# Altium PCB PCB2.PcbDoc (part 1 of 9) (continued)
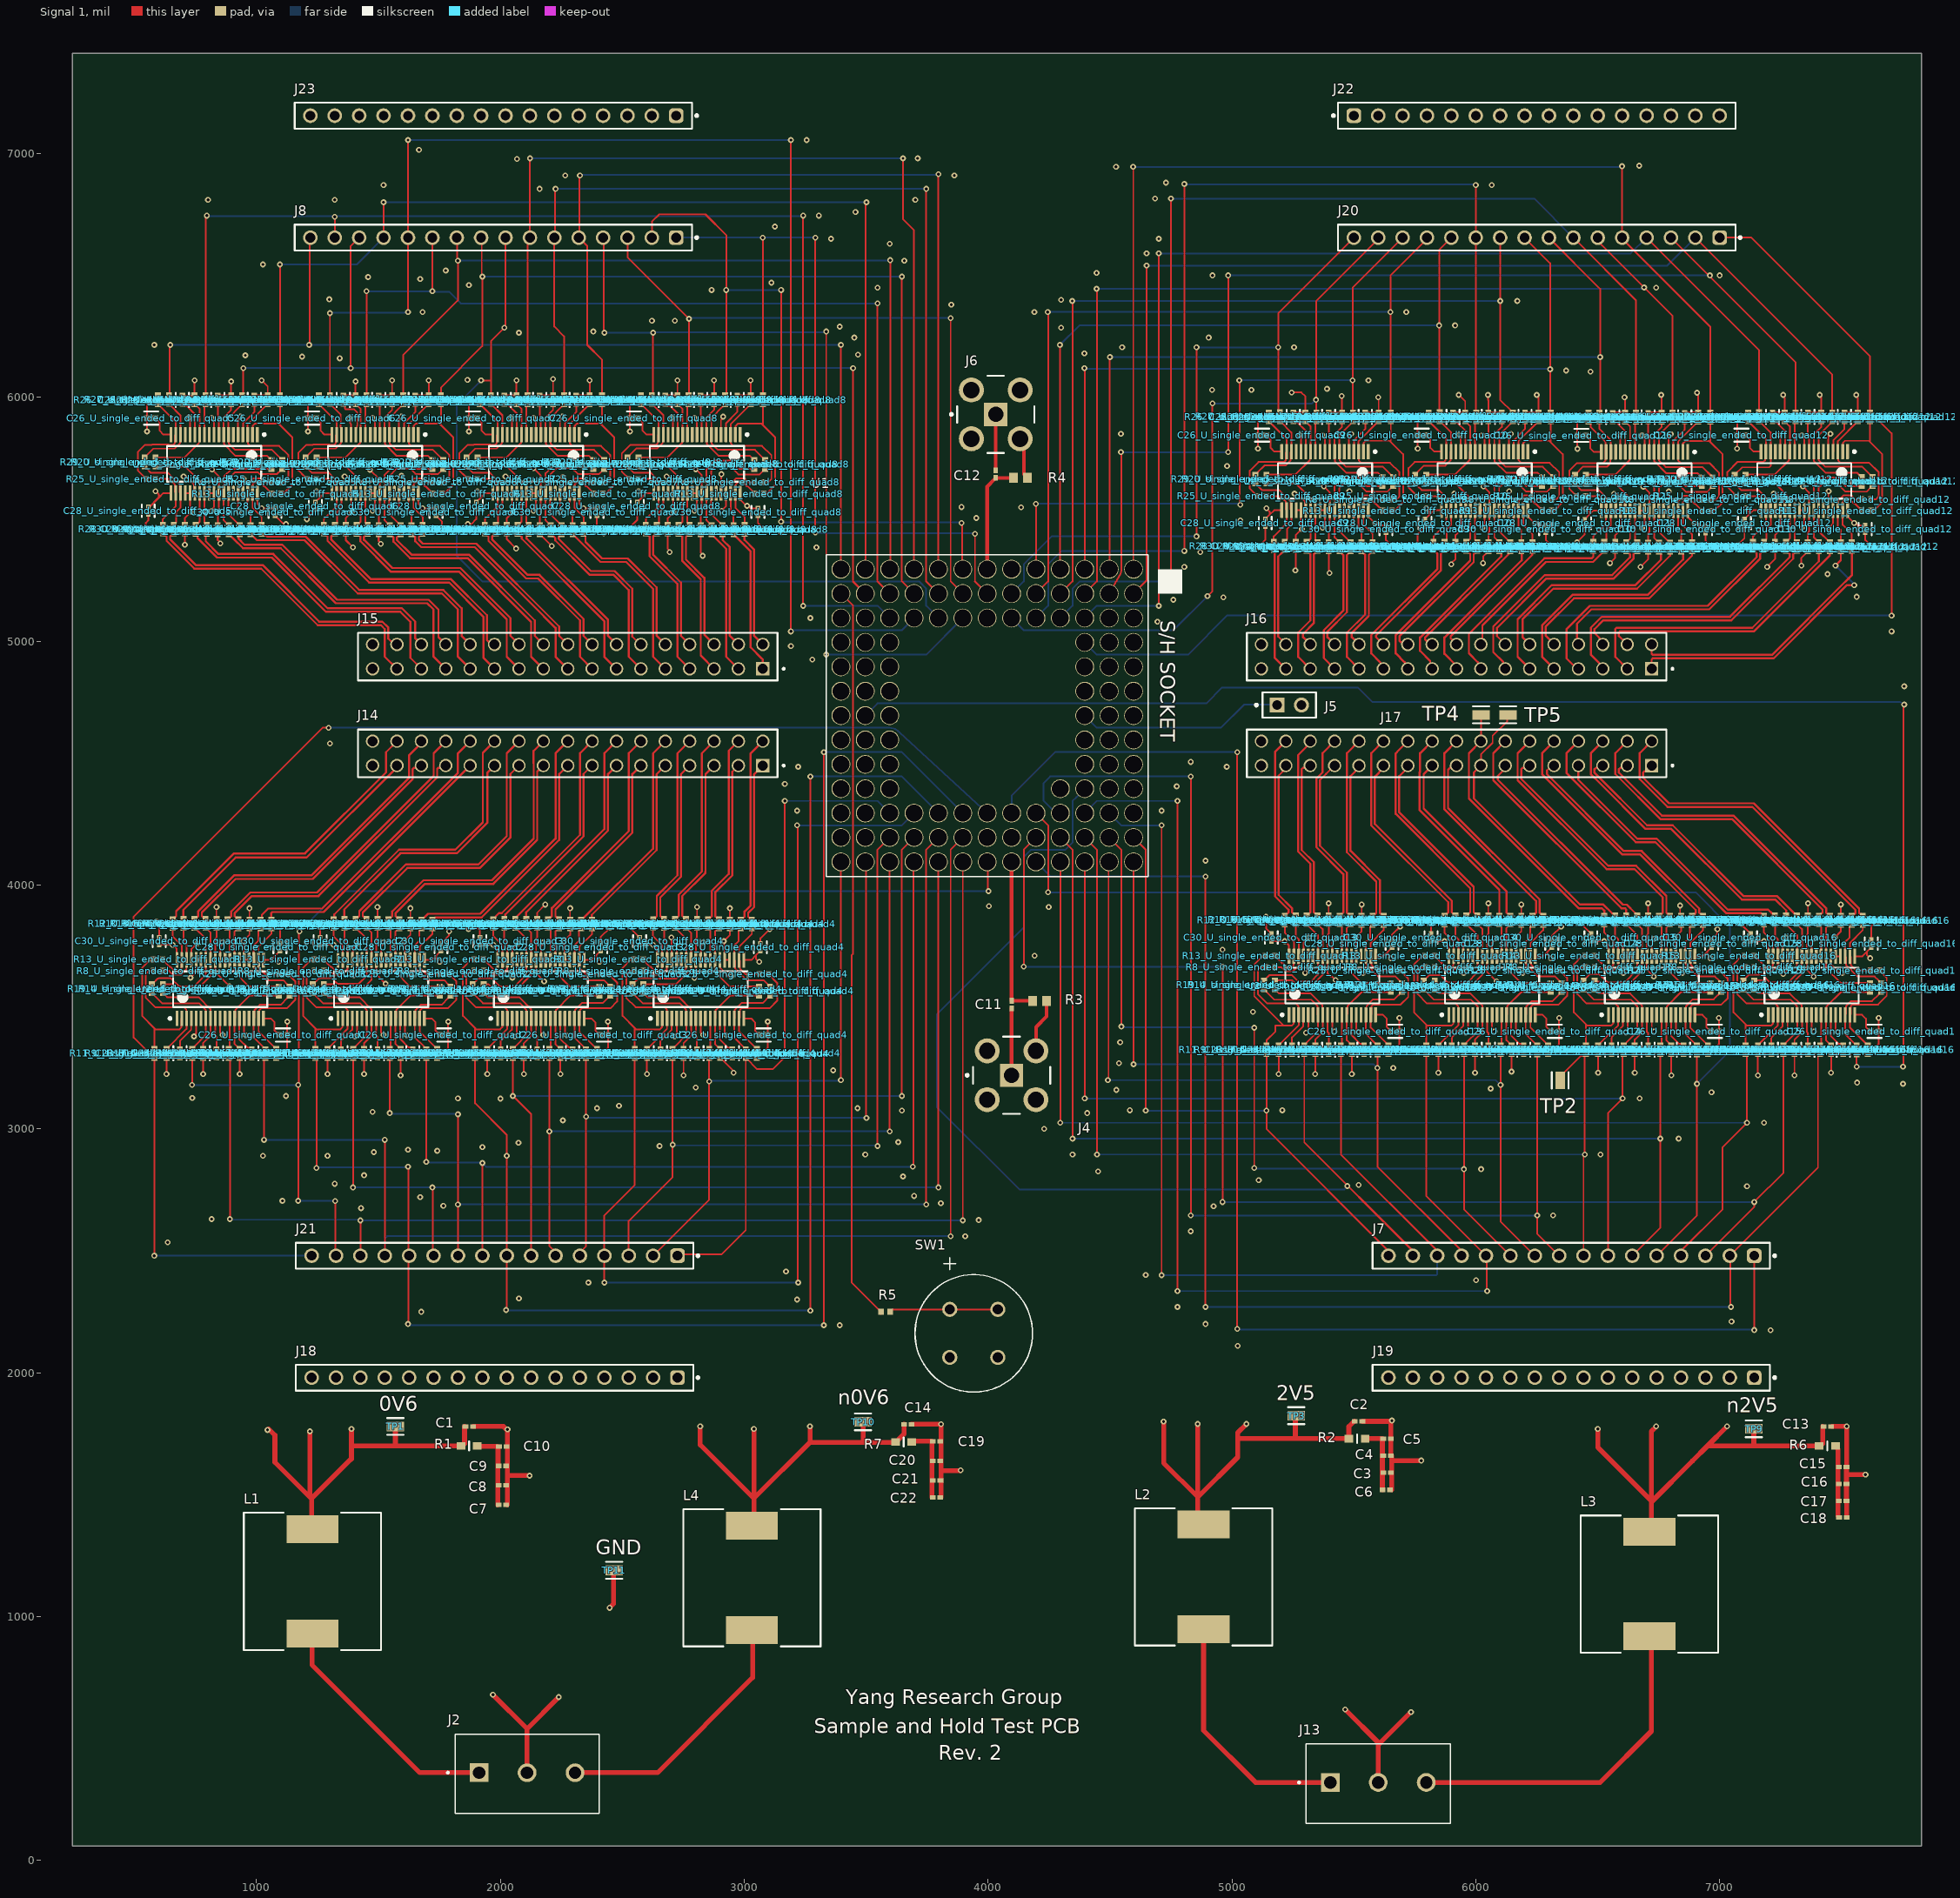
[diagram p0: Signal 1 view]
## Classes and differential pairs (continued)
component class U_single_ended_to_diff_quad12: C23_U_single_ended_to_diff_quad12 C24_U_single_ended_to_diff_quad12 C25_U_single_ended_to_diff_quad12 C26_U_single_ended_to_diff_quad12 C27_U_single_ended_to_diff_quad12 C28_U_single_ended_to_diff_quad12 C29_U_single_ended_to_diff_quad12 C30_U_single_ended_to_diff_quad12 R8_U_single_ended_to_diff_quad12 R9_U_single_ended_to_diff_quad12 R10_U_single_ended_to_diff_quad12 R11_U_single_ended_to_diff_quad12 R12_U_single_ended_to_diff_quad12 R13_U_single_ended_to_diff_quad12 R14_U_single_ended_to_diff_quad12 R15_U_single_ended_to_diff_quad12 R16_U_single_ended_to_diff_quad12 R17_U_single_ended_to_diff_quad12 R18_U_single_ended_to_diff_quad12 R19_U_single_ended_to_diff_quad12 R20_U_single_ended_to_diff_quad12 R21_U_single_ended_to_diff_quad12 R22_U_single_ended_to_diff_quad12 R23_U_single_ended_to_diff_quad12 R24_U_single_ended_to_diff_quad12 R25_U_single_ended_to_diff_quad12 R26_U_single_ended_to_diff_quad12 R27_U_single_ended_to_diff_quad12 R28_U_single_ended_to_diff_quad12 R29_U_single_ended_to_diff_quad12 R30_U_single_ended_to_diff_quad12 R31_U_single_ended_to_diff_quad12 U2_U_single_ended_to_diff_quad12
component class U_single_ended_to_diff_quad11: C23_U_single_ended_to_diff_quad11 C24_U_single_ended_to_diff_quad11 C25_U_single_ended_to_diff_quad11 C26_U_single_ended_to_diff_quad11 C27_U_single_ended_to_diff_quad11 C28_U_single_ended_to_diff_quad11 C29_U_single_ended_to_diff_quad11 C30_U_single_ended_to_diff_quad11 R8_U_single_ended_to_diff_quad11 R9_U_single_ended_to_diff_quad11 R10_U_single_ended_to_diff_quad11 R11_U_single_ended_to_diff_quad11 R12_U_single_ended_to_diff_quad11 R13_U_single_ended_to_diff_quad11 R14_U_single_ended_to_diff_quad11 R15_U_single_ended_to_diff_quad11 R16_U_single_ended_to_diff_quad11 R17_U_single_ended_to_diff_quad11 R18_U_single_ended_to_diff_quad11 R19_U_single_ended_to_diff_quad11 R20_U_single_ended_to_diff_quad11 R21_U_single_ended_to_diff_quad11 R22_U_single_ended_to_diff_quad11 R23_U_single_ended_to_diff_quad11 R24_U_single_ended_to_diff_quad11 R25_U_single_ended_to_diff_quad11 R26_U_single_ended_to_diff_quad11 R27_U_single_ended_to_diff_quad11 R28_U_single_ended_to_diff_quad11 R29_U_single_ended_to_diff_quad11 R30_U_single_ended_to_diff_quad11 R31_U_single_ended_to_diff_quad11 U2_U_single_ended_to_diff_quad11
component class U_single_ended_to_diff_quad10: C23_U_single_ended_to_diff_quad10 C24_U_single_ended_to_diff_quad10 C25_U_single_ended_to_diff_quad10 C26_U_single_ended_to_diff_quad10 C27_U_single_ended_to_diff_quad10 C28_U_single_ended_to_diff_quad10 C29_U_single_ended_to_diff_quad10 C30_U_single_ended_to_diff_quad10 R8_U_single_ended_to_diff_quad10 R9_U_single_ended_to_diff_quad10 R10_U_single_ended_to_diff_quad10 R11_U_single_ended_to_diff_quad10 R12_U_single_ended_to_diff_quad10 R13_U_single_ended_to_diff_quad10 R14_U_single_ended_to_diff_quad10 R15_U_single_ended_to_diff_quad10 R16_U_single_ended_to_diff_quad10 R17_U_single_ended_to_diff_quad10 R18_U_single_ended_to_diff_quad10 R19_U_single_ended_to_diff_quad10 R20_U_single_ended_to_diff_quad10 R21_U_single_ended_to_diff_quad10 R22_U_single_ended_to_diff_quad10 R23_U_single_ended_to_diff_quad10 R24_U_single_ended_to_diff_quad10 R25_U_single_ended_to_diff_quad10 R26_U_single_ended_to_diff_quad10 R27_U_single_ended_to_diff_quad10 R28_U_single_ended_to_diff_quad10 R29_U_single_ended_to_diff_quad10 R30_U_single_ended_to_diff_quad10 R31_U_single_ended_to_diff_quad10 U2_U_single_ended_to_diff_quad10
component class U_single_ended_to_diff_quad9: C23_U_single_ended_to_diff_quad9 C24_U_single_ended_to_diff_quad9 C25_U_single_ended_to_diff_quad9 C26_U_single_ended_to_diff_quad9 C27_U_single_ended_to_diff_quad9 C28_U_single_ended_to_diff_quad9 C29_U_single_ended_to_diff_quad9 C30_U_single_ended_to_diff_quad9 R8_U_single_ended_to_diff_quad9 R9_U_single_ended_to_diff_quad9 R10_U_single_ended_to_diff_quad9 R11_U_single_ended_to_diff_quad9 R12_U_single_ended_to_diff_quad9 R13_U_single_ended_to_diff_quad9 R14_U_single_ended_to_diff_quad9 R15_U_single_ended_to_diff_quad9 R16_U_single_ended_to_diff_quad9 R17_U_single_ended_to_diff_quad9 R18_U_single_ended_to_diff_quad9 R19_U_single_ended_to_diff_quad9 R20_U_single_ended_to_diff_quad9 R21_U_single_ended_to_diff_quad9 R22_U_single_ended_to_diff_quad9 R23_U_single_ended_to_diff_quad9 R24_U_single_ended_to_diff_quad9 R25_U_single_ended_to_diff_quad9 R26_U_single_ended_to_diff_quad9 R27_U_single_ended_to_diff_quad9 R28_U_single_ended_to_diff_quad9 R29_U_single_ended_to_diff_quad9 R30_U_single_ended_to_diff_quad9 R31_U_single_ended_to_diff_quad9 U2_U_single_ended_to_diff_quad9
component class U_single_ended_to_diff_quad8: C23_U_single_ended_to_diff_quad8 C24_U_single_ended_to_diff_quad8 C25_U_single_ended_to_diff_quad8 C26_U_single_ended_to_diff_quad8 C27_U_single_ended_to_diff_quad8 C28_U_single_ended_to_diff_quad8 C29_U_single_ended_to_diff_quad8 C30_U_single_ended_to_diff_quad8 R8_U_single_ended_to_diff_quad8 R9_U_single_ended_to_diff_quad8 R10_U_single_ended_to_diff_quad8 R11_U_single_ended_to_diff_quad8 R12_U_single_ended_to_diff_quad8 R13_U_single_ended_to_diff_quad8 R14_U_single_ended_to_diff_quad8 R15_U_single_ended_to_diff_quad8 R16_U_single_ended_to_diff_quad8 R17_U_single_ended_to_diff_quad8 R18_U_single_ended_to_diff_quad8 R19_U_single_ended_to_diff_quad8 R20_U_single_ended_to_diff_quad8 R21_U_single_ended_to_diff_quad8 R22_U_single_ended_to_diff_quad8 R23_U_single_ended_to_diff_quad8 R24_U_single_ended_to_diff_quad8 R25_U_single_ended_to_diff_quad8 R26_U_single_ended_to_diff_quad8 R27_U_single_ended_to_diff_quad8 R28_U_single_ended_to_diff_quad8 R29_U_single_ended_to_diff_quad8 R30_U_single_ended_to_diff_quad8 R31_U_single_ended_to_diff_quad8 U2_U_single_ended_to_diff_quad8
component class U_single_ended_to_diff_quad7: C23_U_single_ended_to_diff_quad7 C24_U_single_ended_to_diff_quad7 C25_U_single_ended_to_diff_quad7 C26_U_single_ended_to_diff_quad7 C27_U_single_ended_to_diff_quad7 C28_U_single_ended_to_diff_quad7 C29_U_single_ended_to_diff_quad7 C30_U_single_ended_to_diff_quad7 R8_U_single_ended_to_diff_quad7 R9_U_single_ended_to_diff_quad7 R10_U_single_ended_to_diff_quad7 R11_U_single_ended_to_diff_quad7 R12_U_single_ended_to_diff_quad7 R13_U_single_ended_to_diff_quad7 R14_U_single_ended_to_diff_quad7 R15_U_single_ended_to_diff_quad7 R16_U_single_ended_to_diff_quad7 R17_U_single_ended_to_diff_quad7 R18_U_single_ended_to_diff_quad7 R19_U_single_ended_to_diff_quad7 R20_U_single_ended_to_diff_quad7 R21_U_single_ended_to_diff_quad7 R22_U_single_ended_to_diff_quad7 R23_U_single_ended_to_diff_quad7 R24_U_single_ended_to_diff_quad7 R25_U_single_ended_to_diff_quad7 R26_U_single_ended_to_diff_quad7 R27_U_single_ended_to_diff_quad7 R28_U_single_ended_to_diff_quad7 R29_U_single_ended_to_diff_quad7 R30_U_single_ended_to_diff_quad7 R31_U_single_ended_to_diff_quad7 U2_U_single_ended_to_diff_quad7
component class U_single_ended_to_diff_quad6: C23_U_single_ended_to_diff_quad6 C24_U_single_ended_to_diff_quad6 C25_U_single_ended_to_diff_quad6 C26_U_single_ended_to_diff_quad6 C27_U_single_ended_to_diff_quad6 C28_U_single_ended_to_diff_quad6 C29_U_single_ended_to_diff_quad6 C30_U_single_ended_to_diff_quad6 R8_U_single_ended_to_diff_quad6 R9_U_single_ended_to_diff_quad6 R10_U_single_ended_to_diff_quad6 R11_U_single_ended_to_diff_quad6 R12_U_single_ended_to_diff_quad6 R13_U_single_ended_to_diff_quad6 R14_U_single_ended_to_diff_quad6 R15_U_single_ended_to_diff_quad6 R16_U_single_ended_to_diff_quad6 R17_U_single_ended_to_diff_quad6 R18_U_single_ended_to_diff_quad6 R19_U_single_ended_to_diff_quad6 R20_U_single_ended_to_diff_quad6 R21_U_single_ended_to_diff_quad6 R22_U_single_ended_to_diff_quad6 R23_U_single_ended_to_diff_quad6 R24_U_single_ended_to_diff_quad6 R25_U_single_ended_to_diff_quad6 R26_U_single_ended_to_diff_quad6 R27_U_single_ended_to_diff_quad6 R28_U_single_ended_to_diff_quad6 R29_U_single_ended_to_diff_quad6 R30_U_single_ended_to_diff_quad6 R31_U_single_ended_to_diff_quad6 U2_U_single_ended_to_diff_quad6
component class U_single_ended_to_diff_quad5: C23_U_single_ended_to_diff_quad5 C24_U_single_ended_to_diff_quad5 C25_U_single_ended_to_diff_quad5 C26_U_single_ended_to_diff_quad5 C27_U_single_ended_to_diff_quad5 C28_U_single_ended_to_diff_quad5 C29_U_single_ended_to_diff_quad5 C30_U_single_ended_to_diff_quad5 R8_U_single_ended_to_diff_quad5 R9_U_single_ended_to_diff_quad5 R10_U_single_ended_to_diff_quad5 R11_U_single_ended_to_diff_quad5 R12_U_single_ended_to_diff_quad5 R13_U_single_ended_to_diff_quad5 R14_U_single_ended_to_diff_quad5 R15_U_single_ended_to_diff_quad5 R16_U_single_ended_to_diff_quad5 R17_U_single_ended_to_diff_quad5 R18_U_single_ended_to_diff_quad5 R19_U_single_ended_to_diff_quad5 R20_U_single_ended_to_diff_quad5 R21_U_single_ended_to_diff_quad5 R22_U_single_ended_to_diff_quad5 R23_U_single_ended_to_diff_quad5 R24_U_single_ended_to_diff_quad5 R25_U_single_ended_to_diff_quad5 R26_U_single_ended_to_diff_quad5 R27_U_single_ended_to_diff_quad5 R28_U_single_ended_to_diff_quad5 R29_U_single_ended_to_diff_quad5 R30_U_single_ended_to_diff_quad5 R31_U_single_ended_to_diff_quad5 U2_U_single_ended_to_diff_quad5
component class U_single_ended_to_diff_quad4: C23_U_single_ended_to_diff_quad4 C24_U_single_ended_to_diff_quad4 C25_U_single_ended_to_diff_quad4 C26_U_single_ended_to_diff_quad4 C27_U_single_ended_to_diff_quad4 C28_U_single_ended_to_diff_quad4 C29_U_single_ended_to_diff_quad4 C30_U_single_ended_to_diff_quad4 R8_U_single_ended_to_diff_quad4 R9_U_single_ended_to_diff_quad4 R10_U_single_ended_to_diff_quad4 R11_U_single_ended_to_diff_quad4 R12_U_single_ended_to_diff_quad4 R13_U_single_ended_to_diff_quad4 R14_U_single_ended_to_diff_quad4 R15_U_single_ended_to_diff_quad4 R16_U_single_ended_to_diff_quad4 R17_U_single_ended_to_diff_quad4 R18_U_single_ended_to_diff_quad4 R19_U_single_ended_to_diff_quad4 R20_U_single_ended_to_diff_quad4 R21_U_single_ended_to_diff_quad4 R22_U_single_ended_to_diff_quad4 R23_U_single_ended_to_diff_quad4 R24_U_single_ended_to_diff_quad4 R25_U_single_ended_to_diff_quad4 R26_U_single_ended_to_diff_quad4 R27_U_single_ended_to_diff_quad4 R28_U_single_ended_to_diff_quad4 R29_U_single_ended_to_diff_quad4 R30_U_single_ended_to_diff_quad4 R31_U_single_ended_to_diff_quad4 U2_U_single_ended_to_diff_quad4
component class U_single_ended_to_diff_quad3: C23_U_single_ended_to_diff_quad3 C24_U_single_ended_to_diff_quad3 C25_U_single_ended_to_diff_quad3 C26_U_single_ended_to_diff_quad3 C27_U_single_ended_to_diff_quad3 C28_U_single_ended_to_diff_quad3 C29_U_single_ended_to_diff_quad3 C30_U_single_ended_to_diff_quad3 R8_U_single_ended_to_diff_quad3 R9_U_single_ended_to_diff_quad3 R10_U_single_ended_to_diff_quad3 R11_U_single_ended_to_diff_quad3 R12_U_single_ended_to_diff_quad3 R13_U_single_ended_to_diff_quad3 R14_U_single_ended_to_diff_quad3 R15_U_single_ended_to_diff_quad3 R16_U_single_ended_to_diff_quad3 R17_U_single_ended_to_diff_quad3 R18_U_single_ended_to_diff_quad3 R19_U_single_ended_to_diff_quad3 R20_U_single_ended_to_diff_quad3 R21_U_single_ended_to_diff_quad3 R22_U_single_ended_to_diff_quad3 R23_U_single_ended_to_diff_quad3 R24_U_single_ended_to_diff_quad3 R25_U_single_ended_to_diff_quad3 R26_U_single_ended_to_diff_quad3 R27_U_single_ended_to_diff_quad3 R28_U_single_ended_to_diff_quad3 R29_U_single_ended_to_diff_quad3 R30_U_single_ended_to_diff_quad3 R31_U_single_ended_to_diff_quad3 U2_U_single_ended_to_diff_quad3
component class U_single_ended_to_diff_quad2: C23_U_single_ended_to_diff_quad2 C24_U_single_ended_to_diff_quad2 C25_U_single_ended_to_diff_quad2 C26_U_single_ended_to_diff_quad2 C27_U_single_ended_to_diff_quad2 C28_U_single_ended_to_diff_quad2 C29_U_single_ended_to_diff_quad2 C30_U_single_ended_to_diff_quad2 R8_U_single_ended_to_diff_quad2 R9_U_single_ended_to_diff_quad2 R10_U_single_ended_to_diff_quad2 R11_U_single_ended_to_diff_quad2 R12_U_single_ended_to_diff_quad2 R13_U_single_ended_to_diff_quad2 R14_U_single_ended_to_diff_quad2 R15_U_single_ended_to_diff_quad2 R16_U_single_ended_to_diff_quad2 R17_U_single_ended_to_diff_quad2 R18_U_single_ended_to_diff_quad2 R19_U_single_ended_to_diff_quad2 R20_U_single_ended_to_diff_quad2 R21_U_single_ended_to_diff_quad2 R22_U_single_ended_to_diff_quad2 R23_U_single_ended_to_diff_quad2 R24_U_single_ended_to_diff_quad2 R25_U_single_ended_to_diff_quad2 R26_U_single_ended_to_diff_quad2 R27_U_single_ended_to_diff_quad2 R28_U_single_ended_to_diff_quad2 R29_U_single_ended_to_diff_quad2 R30_U_single_ended_to_diff_quad2 R31_U_single_ended_to_diff_quad2 U2_U_single_ended_to_diff_quad2
component class U_single_ended_to_diff_quad1: C23_U_single_ended_to_diff_quad1 C24_U_single_ended_to_diff_quad1 C25_U_single_ended_to_diff_quad1 C26_U_single_ended_to_diff_quad1 C27_U_single_ended_to_diff_quad1 C28_U_single_ended_to_diff_quad1 C29_U_single_ended_to_diff_quad1 C30_U_single_ended_to_diff_quad1 R8_U_single_ended_to_diff_quad1 R9_U_single_ended_to_diff_quad1 R10_U_single_ended_to_diff_quad1 R11_U_single_ended_to_diff_quad1 R12_U_single_ended_to_diff_quad1 R13_U_single_ended_to_diff_quad1 R14_U_single_ended_to_diff_quad1 R15_U_single_ended_to_diff_quad1 R16_U_single_ended_to_diff_quad1 R17_U_single_ended_to_diff_quad1 R18_U_single_ended_to_diff_quad1 R19_U_single_ended_to_diff_quad1 R20_U_single_ended_to_diff_quad1 R21_U_single_ended_to_diff_quad1 R22_U_single_ended_to_diff_quad1 R23_U_single_ended_to_diff_quad1 R24_U_single_ended_to_diff_quad1 R25_U_single_ended_to_diff_quad1 R26_U_single_ended_to_diff_quad1 R27_U_single_ended_to_diff_quad1 R28_U_single_ended_to_diff_quad1 R29_U_single_ended_to_diff_quad1 R30_U_single_ended_to_diff_quad1 R31_U_single_ended_to_diff_quad1 U2_U_single_ended_to_diff_quad1
component class U_S&H_socket: U1
component class U_RESET_BUTTON: R5 SW1
component class U_power: C1 C2 C3 C4 C5 C6 C7 C8 C9 C10 C13 C14 C15 C16 C17 C18 C19 C20 C21 C22 J2 J13 L1 L2 L3 L4 R1 R2 R6 R7 TP1 TP3 TP9 TP10 TP11
component class U_load_resistor: J7 J8 J18 J19 J20 J21 J22 J23
component class U_DATA_INPUT: C11 J4 R3
component class U_CLK_INPUT: C12 J6 R4
component class U_ADC_conn: J14 J15 J16 J17
component class top: J5

## Components (designator, comment, footprint, x,y, rotation, side; value= is the part's Value field where it differs from the comment)
C1 "Cap" "Cap 0301" 1872.44,1780 r180 top value=0.1uF
C2 "Cap" "Cap 0301" 5519.35,1801 r180 top value=0.1uF
C3 "Cap" "Cap 0301" 5636.75,1590 r180 top value=0.1uF
C4 "Cap" "Cap 0301" 5635.65,1660 r180 top value=0.1uF
C5 "Cap" "Cap 0301" 5635.65,1730 r180 top value=0.1uF
C6 "Cap" "Cap 0301" 5633.2,1520 r180 top value=0.1uF
C7 "Cap" "Cap 0301" 2008.9,1458 r180 top value=0.1uF
C8 "Cap" "Cap 0301" 2008.9,1538 r180 top value=0.1uF
C9 "Cap" "Cap 0301" 2008.9,1618 r180 top value=0.1uF
C10 "Cap" "Cap 0301" 2010,1698 r180 top value=0.1uF
C11 "Cap" "Cap 0301" 4096.68,3510 r90 top value=0.1uF
C12 "Cap" "Cap 0301" 4031.68,5685 r270 top value=0.1uF
C13 "Cap" "Cap 0301" 7441.1,1780 r180 top value=0.1uF
C14 "Cap" "Cap 0301" 3670.8,1789 r180 top value=0.1uF
C15 "Cap" "Cap 0301" 7504.35,1614 r180 top value=0.1uF
C16 "Cap" "Cap 0301" 7504.35,1544 r180 top value=0.1uF
C17 "Cap" "Cap 0301" 7504.35,1474 r180 top value=0.1uF
C18 "Cap" "Cap 0301" 7504.84,1406.97 r180 top value=0.1uF
C19 "Cap" "Cap 0301" 3788.35,1719 r180 top value=0.1uF
C20 "Cap" "Cap 0301" 3788.35,1639 r180 top value=0.1uF
C21 "Cap" "Cap 0301" 3789.46,1559 r180 top value=0.1uF
C22 "Cap" "Cap 0301" 3788.35,1489 r180 top value=0.1uF
C23_U_single_ended_to_diff_quad1 "CL05B104KP5NNNC" FP-CL17-IPC_B 686.68,3310 r270 top (schematic designator C23)
C23_U_single_ended_to_diff_quad2 "CL05B104KP5NNNC" FP-CL17-IPC_B 1346.68,3310 r270 top (schematic designator C23)
C23_U_single_ended_to_diff_quad3 "CL05B104KP5NNNC" FP-CL17-IPC_B 2001.68,3310 r270 top (schematic designator C23)
C23_U_single_ended_to_diff_quad4 "CL05B104KP5NNNC" FP-CL17-IPC_B 2656.68,3310 r270 top (schematic designator C23)
C23_U_single_ended_to_diff_quad5 "CL05B104KP5NNNC" FP-CL17-IPC_B 991.68,5990 r90 top (schematic designator C23)
C23_U_single_ended_to_diff_quad6 "CL05B104KP5NNNC" FP-CL17-IPC_B 1651.68,5990 r90 top (schematic designator C23)
C23_U_single_ended_to_diff_quad7 "CL05B104KP5NNNC" FP-CL17-IPC_B 2311.68,5990 r90 top (schematic designator C23)
C23_U_single_ended_to_diff_quad8 "CL05B104KP5NNNC" FP-CL17-IPC_B 2971.68,5990 r90 top (schematic designator C23)
C23_U_single_ended_to_diff_quad9 "CL05B104KP5NNNC" FP-CL17-IPC_B 5546.68,5920 r90 top (schematic designator C23)
C23_U_single_ended_to_diff_quad10 "CL05B104KP5NNNC" FP-CL17-IPC_B 6201.68,5920 r90 top (schematic designator C23)
C23_U_single_ended_to_diff_quad11 "CL05B104KP5NNNC" FP-CL17-IPC_B 6856.68,5918.9 r90 top (schematic designator C23)
C23_U_single_ended_to_diff_quad12 "CL05B104KP5NNNC" FP-CL17-IPC_B 7511.68,5920 r90 top (schematic designator C23)
C23_U_single_ended_to_diff_quad13 "CL05B104KP5NNNC" FP-CL17-IPC_B 5246.68,3325 r270 top (schematic designator C23)
C23_U_single_ended_to_diff_quad14 "CL05B104KP5NNNC" FP-CL17-IPC_B 5901.68,3325 r270 top (schematic designator C23)
C23_U_single_ended_to_diff_quad15 "CL05B104KP5NNNC" FP-CL17-IPC_B 6556.68,3325 r270 top (schematic designator C23)
C23_U_single_ended_to_diff_quad16 "CL05B104KP5NNNC" FP-CL17-IPC_B 7211.68,3325 r270 top (schematic designator C23)
C24_U_single_ended_to_diff_quad1 "CL05B104KP5NNNC" FP-CL17-IPC_B 836.68,3310 r270 top (schematic designator C24)
C24_U_single_ended_to_diff_quad2 "CL05B104KP5NNNC" FP-CL17-IPC_B 1496.68,3310 r270 top (schematic designator C24)
C24_U_single_ended_to_diff_quad3 "CL05B104KP5NNNC" FP-CL17-IPC_B 2151.68,3310 r270 top (schematic designator C24)
C24_U_single_ended_to_diff_quad4 "CL05B104KP5NNNC" FP-CL17-IPC_B 2806.68,3310 r270 top (schematic designator C24)
C24_U_single_ended_to_diff_quad5 "CL05B104KP5NNNC" FP-CL17-IPC_B 841.68,5990 r90 top (schematic designator C24)
C24_U_single_ended_to_diff_quad6 "CL05B104KP5NNNC" FP-CL17-IPC_B 1501.68,5990 r90 top (schematic designator C24)
C24_U_single_ended_to_diff_quad7 "CL05B104KP5NNNC" FP-CL17-IPC_B 2161.68,5990 r90 top (schematic designator C24)
C24_U_single_ended_to_diff_quad8 "CL05B104KP5NNNC" FP-CL17-IPC_B 2821.68,5990 r90 top (schematic designator C24)
C24_U_single_ended_to_diff_quad9 "CL05B104KP5NNNC" FP-CL17-IPC_B 5396.68,5920 r90 top (schematic designator C24)
C24_U_single_ended_to_diff_quad10 "CL05B104KP5NNNC" FP-CL17-IPC_B 6051.68,5920 r90 top (schematic designator C24)
C24_U_single_ended_to_diff_quad11 "CL05B104KP5NNNC" FP-CL17-IPC_B 6706.68,5918.9 r90 top (schematic designator C24)
C24_U_single_ended_to_diff_quad12 "CL05B104KP5NNNC" FP-CL17-IPC_B 7361.68,5920 r90 top (schematic designator C24)
C24_U_single_ended_to_diff_quad13 "CL05B104KP5NNNC" FP-CL17-IPC_B 5396.68,3325 r270 top (schematic designator C24)
C24_U_single_ended_to_diff_quad14 "CL05B104KP5NNNC" FP-CL17-IPC_B 6051.68,3325 r270 top (schematic designator C24)
C24_U_single_ended_to_diff_quad15 "CL05B104KP5NNNC" FP-CL17-IPC_B 6706.68,3325 r270 top (schematic designator C24)
C24_U_single_ended_to_diff_quad16 "CL05B104KP5NNNC" FP-CL17-IPC_B 7361.68,3325 r270 top (schematic designator C24)
C25_U_single_ended_to_diff_quad1 "CL05B104KP5NNNC" FP-CL17-IPC_B 981.68,3310 r270 top (schematic designator C25)
C25_U_single_ended_to_diff_quad2 "CL05B104KP5NNNC" FP-CL17-IPC_B 1641.68,3310 r270 top (schematic designator C25)
C25_U_single_ended_to_diff_quad3 "CL05B104KP5NNNC" FP-CL17-IPC_B 2296.68,3310 r270 top (schematic designator C25)
C25_U_single_ended_to_diff_quad4 "CL05B104KP5NNNC" FP-CL17-IPC_B 2951.68,3310 r270 top (schematic designator C25)
C25_U_single_ended_to_diff_quad5 "CL05B104KP5NNNC" FP-CL17-IPC_B 696.68,5990 r90 top (schematic designator C25)
C25_U_single_ended_to_diff_quad6 "CL05B104KP5NNNC" FP-CL17-IPC_B 1356.68,5990 r90 top (schematic designator C25)
C25_U_single_ended_to_diff_quad7 "CL05B104KP5NNNC" FP-CL17-IPC_B 2016.68,5990 r90 top (schematic designator C25)
C25_U_single_ended_to_diff_quad8 "CL05B104KP5NNNC" FP-CL17-IPC_B 2676.68,5990 r90 top (schematic designator C25)
C25_U_single_ended_to_diff_quad9 "CL05B104KP5NNNC" FP-CL17-IPC_B 5251.68,5920 r90 top (schematic designator C25)
C25_U_single_ended_to_diff_quad10 "CL05B104KP5NNNC" FP-CL17-IPC_B 5906.68,5920 r90 top (schematic designator C25)
C25_U_single_ended_to_diff_quad11 "CL05B104KP5NNNC" FP-CL17-IPC_B 6561.68,5918.9 r90 top (schematic designator C25)
C25_U_single_ended_to_diff_quad12 "CL05B104KP5NNNC" FP-CL17-IPC_B 7216.68,5920 r90 top (schematic designator C25)
C25_U_single_ended_to_diff_quad13 "CL05B104KP5NNNC" FP-CL17-IPC_B 5541.68,3325 r270 top (schematic designator C25)
C25_U_single_ended_to_diff_quad14 "CL05B104KP5NNNC" FP-CL17-IPC_B 6196.68,3325 r270 top (schematic designator C25)
C25_U_single_ended_to_diff_quad15 "CL05B104KP5NNNC" FP-CL17-IPC_B 6851.68,3325 r270 top (schematic designator C25)
C25_U_single_ended_to_diff_quad16 "CL05B104KP5NNNC" FP-CL17-IPC_B 7506.68,3325 r270 top (schematic designator C25)
C26_U_single_ended_to_diff_quad1 "CL05B104KP5NNNC" FP-CL17-IPC_B 1109.81,3385 r0 top (schematic designator C26)
C26_U_single_ended_to_diff_quad2 "CL05B104KP5NNNC" FP-CL17-IPC_B 1769.81,3385 r0 top (schematic designator C26)
C26_U_single_ended_to_diff_quad3 "CL05B104KP5NNNC" FP-CL17-IPC_B 2424.81,3385 r0 top (schematic designator C26)
C26_U_single_ended_to_diff_quad4 "CL05B104KP5NNNC" FP-CL17-IPC_B 3079.81,3385 r0 top (schematic designator C26)
C26_U_single_ended_to_diff_quad5 "CL05B104KP5NNNC" FP-CL17-IPC_B 568.56,5915 r180 top (schematic designator C26)
C26_U_single_ended_to_diff_quad6 "CL05B104KP5NNNC" FP-CL17-IPC_B 1228.56,5915 r180 top (schematic designator C26)
C26_U_single_ended_to_diff_quad7 "CL05B104KP5NNNC" FP-CL17-IPC_B 1888.56,5915 r180 top (schematic designator C26)
C26_U_single_ended_to_diff_quad8 "CL05B104KP5NNNC" FP-CL17-IPC_B 2548.56,5915 r180 top (schematic designator C26)
C26_U_single_ended_to_diff_quad9 "CL05B104KP5NNNC" FP-CL17-IPC_B 5123.56,5845 r180 top (schematic designator C26)
C26_U_single_ended_to_diff_quad10 "CL05B104KP5NNNC" FP-CL17-IPC_B 5778.56,5845 r180 top (schematic designator C26)
C26_U_single_ended_to_diff_quad11 "CL05B104KP5NNNC" FP-CL17-IPC_B 6433.56,5843.9 r180 top (schematic designator C26)
C26_U_single_ended_to_diff_quad12 "CL05B104KP5NNNC" FP-CL17-IPC_B 7088.56,5845 r180 top (schematic designator C26)
C26_U_single_ended_to_diff_quad13 "CL05B104KP5NNNC" FP-CL17-IPC_B 5669.81,3400 r0 top (schematic designator C26)
C26_U_single_ended_to_diff_quad14 "CL05B104KP5NNNC" FP-CL17-IPC_B 6324.81,3400 r0 top (schematic designator C26)
C26_U_single_ended_to_diff_quad15 "CL05B104KP5NNNC" FP-CL17-IPC_B 6979.81,3400 r0 top (schematic designator C26)
C26_U_single_ended_to_diff_quad16 "CL05B104KP5NNNC" FP-CL17-IPC_B 7634.81,3400 r0 top (schematic designator C26)
C27_U_single_ended_to_diff_quad1 "GRM155R71H102KA01D" "Cap 0402" 836.68,3842.8 r270 top (schematic designator C27)
C27_U_single_ended_to_diff_quad2 "GRM155R71H102KA01D" "Cap 0402" 1496.68,3842.8 r270 top (schematic designator C27)
C27_U_single_ended_to_diff_quad3 "GRM155R71H102KA01D" "Cap 0402" 2151.68,3842.8 r270 top (schematic designator C27)
C27_U_single_ended_to_diff_quad4 "GRM155R71H102KA01D" "Cap 0402" 2806.68,3842.8 r270 top (schematic designator C27)
C27_U_single_ended_to_diff_quad5 "GRM155R71H102KA01D" "Cap 0402" 841.68,5457.2 r90 top (schematic designator C27)
C27_U_single_ended_to_diff_quad6 "GRM155R71H102KA01D" "Cap 0402" 1501.68,5457.2 r90 top (schematic designator C27)
C27_U_single_ended_to_diff_quad7 "GRM155R71H102KA01D" "Cap 0402" 2161.68,5457.2 r90 top (schematic designator C27)
C27_U_single_ended_to_diff_quad8 "GRM155R71H102KA01D" "Cap 0402" 2821.68,5457.2 r90 top (schematic designator C27)
C27_U_single_ended_to_diff_quad9 "GRM155R71H102KA01D" "Cap 0402" 5396.68,5387.2 r90 top (schematic designator C27)
C27_U_single_ended_to_diff_quad10 "GRM155R71H102KA01D" "Cap 0402" 6051.68,5387.2 r90 top (schematic designator C27)
C27_U_single_ended_to_diff_quad11 "GRM155R71H102KA01D" "Cap 0402" 6706.68,5386.1 r90 top (schematic designator C27)
C27_U_single_ended_to_diff_quad12 "GRM155R71H102KA01D" "Cap 0402" 7361.68,5387.2 r90 top (schematic designator C27)
C27_U_single_ended_to_diff_quad13 "GRM155R71H102KA01D" "Cap 0402" 5396.68,3857.8 r270 top (schematic designator C27)
C27_U_single_ended_to_diff_quad14 "GRM155R71H102KA01D" "Cap 0402" 6051.68,3857.8 r270 top (schematic designator C27)
C27_U_single_ended_to_diff_quad15 "GRM155R71H102KA01D" "Cap 0402" 6706.68,3857.8 r270 top (schematic designator C27)
C27_U_single_ended_to_diff_quad16 "GRM155R71H102KA01D" "Cap 0402" 7361.68,3857.8 r270 top (schematic designator C27)
C28_U_single_ended_to_diff_quad1 "CL05B104KP5NNNC" FP-CL17-IPC_C 1096.68,3745 r90 top (schematic designator C28)
C28_U_single_ended_to_diff_quad2 "CL05B104KP5NNNC" FP-CL17-IPC_C 1756.68,3745 r90 top (schematic designator C28)
C28_U_single_ended_to_diff_quad3 "CL05B104KP5NNNC" FP-CL17-IPC_C 2411.68,3745 r90 top (schematic designator C28)
C28_U_single_ended_to_diff_quad4 "CL05B104KP5NNNC" FP-CL17-IPC_C 3066.68,3745 r90 top (schematic designator C28)
C28_U_single_ended_to_diff_quad5 "CL05B104KP5NNNC" FP-CL17-IPC_C 556.68,5535 r270 top (schematic designator C28)
C28_U_single_ended_to_diff_quad6 "CL05B104KP5NNNC" FP-CL17-IPC_C 1241.68,5555 r270 top (schematic designator C28)
C28_U_single_ended_to_diff_quad7 "CL05B104KP5NNNC" FP-CL17-IPC_C 1901.68,5555 r270 top (schematic designator C28)
C28_U_single_ended_to_diff_quad8 "CL05B104KP5NNNC" FP-CL17-IPC_C 2561.68,5555 r270 top (schematic designator C28)
C28_U_single_ended_to_diff_quad9 "CL05B104KP5NNNC" FP-CL17-IPC_C 5136.68,5485 r270 top (schematic designator C28)
C28_U_single_ended_to_diff_quad10 "CL05B104KP5NNNC" FP-CL17-IPC_C 5791.68,5485 r270 top (schematic designator C28)
C28_U_single_ended_to_diff_quad11 "CL05B104KP5NNNC" FP-CL17-IPC_C 6446.68,5483.9 r270 top (schematic designator C28)
C28_U_single_ended_to_diff_quad12 "CL05B104KP5NNNC" FP-CL17-IPC_C 7101.68,5485 r270 top (schematic designator C28)
C28_U_single_ended_to_diff_quad13 "CL05B104KP5NNNC" FP-CL17-IPC_C 5656.68,3760 r90 top (schematic designator C28)
C28_U_single_ended_to_diff_quad14 "CL05B104KP5NNNC" FP-CL17-IPC_C 6311.68,3760 r90 top (schematic designator C28)
C28_U_single_ended_to_diff_quad15 "CL05B104KP5NNNC" FP-CL17-IPC_C 6966.68,3760 r90 top (schematic designator C28)
C28_U_single_ended_to_diff_quad16 "CL05B104KP5NNNC" FP-CL17-IPC_C 7621.68,3760 r90 top (schematic designator C28)
C29_U_single_ended_to_diff_quad1 "GRM155R71H102KA01D" "Cap 0402" 971.68,3840 r90 top (schematic designator C29)
C29_U_single_ended_to_diff_quad2 "GRM155R71H102KA01D" "Cap 0402" 1631.68,3840 r90 top (schematic designator C29)
C29_U_single_ended_to_diff_quad3 "GRM155R71H102KA01D" "Cap 0402" 2286.68,3840 r90 top (schematic designator C29)
C29_U_single_ended_to_diff_quad4 "GRM155R71H102KA01D" "Cap 0402" 2941.68,3840 r90 top (schematic designator C29)
C29_U_single_ended_to_diff_quad5 "GRM155R71H102KA01D" "Cap 0402" 706.68,5460 r270 top (schematic designator C29)
C29_U_single_ended_to_diff_quad6 "GRM155R71H102KA01D" "Cap 0402" 1366.68,5460 r270 top (schematic designator C29)
C29_U_single_ended_to_diff_quad7 "GRM155R71H102KA01D" "Cap 0402" 2026.68,5460 r270 top (schematic designator C29)
C29_U_single_ended_to_diff_quad8 "GRM155R71H102KA01D" "Cap 0402" 2686.68,5460 r270 top (schematic designator C29)
C29_U_single_ended_to_diff_quad9 "GRM155R71H102KA01D" "Cap 0402" 5261.68,5390 r270 top (schematic designator C29)
C29_U_single_ended_to_diff_quad10 "GRM155R71H102KA01D" "Cap 0402" 5916.68,5390 r270 top (schematic designator C29)
C29_U_single_ended_to_diff_quad11 "GRM155R71H102KA01D" "Cap 0402" 6571.68,5388.9 r270 top (schematic designator C29)
C29_U_single_ended_to_diff_quad12 "GRM155R71H102KA01D" "Cap 0402" 7226.68,5390 r270 top (schematic designator C29)
C29_U_single_ended_to_diff_quad13 "GRM155R71H102KA01D" "Cap 0402" 5531.68,3855 r90 top (schematic designator C29)
C29_U_single_ended_to_diff_quad14 "GRM155R71H102KA01D" "Cap 0402" 6186.68,3855 r90 top (schematic designator C29)
C29_U_single_ended_to_diff_quad15 "GRM155R71H102KA01D" "Cap 0402" 6841.68,3855 r90 top (schematic designator C29)
C29_U_single_ended_to_diff_quad16 "GRM155R71H102KA01D" "Cap 0402" 7496.68,3855 r90 top (schematic designator C29)
C30_U_single_ended_to_diff_quad1 "CL05B104KP5NNNC" FP-CL17-IPC_C 601.68,3770 r90 top (schematic designator C30)
C30_U_single_ended_to_diff_quad2 "CL05B104KP5NNNC" FP-CL17-IPC_C 1261.68,3770 r90 top (schematic designator C30)
C30_U_single_ended_to_diff_quad3 "CL05B104KP5NNNC" FP-CL17-IPC_C 1916.68,3770 r90 top (schematic designator C30)
C30_U_single_ended_to_diff_quad4 "CL05B104KP5NNNC" FP-CL17-IPC_C 2571.68,3770 r90 top (schematic designator C30)
C30_U_single_ended_to_diff_quad5 "CL05B104KP5NNNC" FP-CL17-IPC_C 1076.68,5530.1 r270 top (schematic designator C30)
C30_U_single_ended_to_diff_quad6 "CL05B104KP5NNNC" FP-CL17-IPC_C 1736.68,5530 r270 top (schematic designator C30)
C30_U_single_ended_to_diff_quad7 "CL05B104KP5NNNC" FP-CL17-IPC_C 2396.68,5530 r270 top (schematic designator C30)
C30_U_single_ended_to_diff_quad8 "CL05B104KP5NNNC" FP-CL17-IPC_C 3056.68,5530 r270 top (schematic designator C30)
C30_U_single_ended_to_diff_quad9 "CL05B104KP5NNNC" FP-CL17-IPC_C 5631.68,5460 r270 top (schematic designator C30)
C30_U_single_ended_to_diff_quad10 "CL05B104KP5NNNC" FP-CL17-IPC_C 6286.68,5460 r270 top (schematic designator C30)
C30_U_single_ended_to_diff_quad11 "CL05B104KP5NNNC" FP-CL17-IPC_C 6941.68,5458.9 r270 top (schematic designator C30)
C30_U_single_ended_to_diff_quad12 "CL05B104KP5NNNC" FP-CL17-IPC_C 7596.68,5460 r270 top (schematic designator C30)
C30_U_single_ended_to_diff_quad13 "CL05B104KP5NNNC" FP-CL17-IPC_C 5161.68,3785 r90 top (schematic designator C30)
C30_U_single_ended_to_diff_quad14 "CL05B104KP5NNNC" FP-CL17-IPC_C 5816.68,3785 r90 top (schematic designator C30)
C30_U_single_ended_to_diff_quad15 "CL05B104KP5NNNC" FP-CL17-IPC_C 6471.68,3785 r90 top (schematic designator C30)
C30_U_single_ended_to_diff_quad16 "CL05B104KP5NNNC" FP-CL17-IPC_C 7126.68,3785 r90 top (schematic designator C30)
J2 "1935174" PHOENIX_1935174 1814.72,192.68 r0 top
J4 "142-0701-201" FP-142-0701-201-MFG 4096.68,3220 r0 top
J5 "M20-9990246" FP-M20-9990246-MFG 5235,4738 r0 top
J6 "142-0701-201" FP-142-0701-201-MFG 4031.68,5930 r0 top
J7 "61301611821" 61301611821 6391.68,2480 r180 top
J8 "61301611821" 61301611821 1971.68,6655 r180 top
J13 "1935174" PHOENIX_1935174 5304.72,152.68 r0 top
J14 "ESW-117-44-G-D" SAMTEC_ESW-117-44-G-D 2276.68,4540 r0 top
J15 "ESW-117-44-G-D" SAMTEC_ESW-117-44-G-D 2276.68,4936.65 r0 top
J16 "ESW-117-44-G-D" SAMTEC_ESW-117-44-G-D 5920.97,4936.65 r0 top
J17 "ESW-117-44-G-D" SAMTEC_ESW-117-44-G-D 5920.97,4540 r0 top
J18 "61301611821" 61301611821 1976.68,1980 r180 top
J19 "61301611821" 61301611821 6391.68,1980 r180 top
J20 "61301611821" 61301611821 6250,6655 r180 top
J21 "61301611821" 61301611821 1976.68,2480 r180 top
J22 "61301611821" 61301611821 6250,7155 r0 top
J23 "61301611821" 61301611821 1971.68,7155 r180 top
L1 "744305022" WE-HCM_1350_L13.5W13.3H5 1230,1144.65 r90 top
L2 "744305022" WE-HCM_1350_L13.5W13.3H5 4884,1163 r90 top
L3 "744305022" WE-HCM_1350_L13.5W13.3H5 6712,1133.57 r90 top
L4 "744305022" WE-HCM_1350_L13.5W13.3H5 3032,1159 r90 top
R1 "RC0603FR-071RL" FP-RC0603-0_55-MFG 1872.44,1700 r180 top
R2 "RC0603FR-071RL" FP-RC0603-0_55-MFG 5513,1730 r180 top
R3 "ERJ-3EKF49R9V" RESC1608X55X30ML15T15 4211.68,3525 r180 top
R4 "ERJ-3EKF49R9V" RESC1608X55X30ML15T15 4133.54,5670 r180 top
R5 "RC0402JR-0710KL" "Res 0402" 3580,2250 r0 top
R6 "RC0603FR-071RL" FP-RC0603-0_55-MFG 7441.1,1700 r180 top
R7 "RC0603FR-071RL" FP-RC0603-0_55-MFG 3654,1716 r180 top
R8_U_single_ended_to_diff_quad1 "ERA-2AEB4990X" "Res 0402" 597.78,3648.23 r0 top (schematic designator R8)
R8_U_single_ended_to_diff_quad2 "ERA-2AEB4990X" "Res 0402" 1257.78,3648.23 r0 top (schematic designator R8)
R8_U_single_ended_to_diff_quad3 "ERA-2AEB4990X" "Res 0402" 1912.78,3648.23 r0 top (schematic designator R8)
R8_U_single_ended_to_diff_quad4 "ERA-2AEB4990X" "Res 0402" 2567.78,3648.23 r0 top (schematic designator R8)
R8_U_single_ended_to_diff_quad5 "ERA-2AEB4990X" "Res 0402" 1080.58,5651.77 r180 top (schematic designator R8)
R8_U_single_ended_to_diff_quad6 "ERA-2AEB4990X" "Res 0402" 1740.58,5651.77 r180 top (schematic designator R8)
R8_U_single_ended_to_diff_quad7 "ERA-2AEB4990X" "Res 0402" 2400.58,5651.77 r180 top (schematic designator R8)
R8_U_single_ended_to_diff_quad8 "ERA-2AEB4990X" "Res 0402" 3060.58,5651.77 r180 top (schematic designator R8)
R8_U_single_ended_to_diff_quad9 "ERA-2AEB4990X" "Res 0402" 5635.58,5581.77 r180 top (schematic designator R8)
R8_U_single_ended_to_diff_quad10 "ERA-2AEB4990X" "Res 0402" 6290.58,5581.77 r180 top (schematic designator R8)
R8_U_single_ended_to_diff_quad11 "ERA-2AEB4990X" "Res 0402" 6945.58,5580.67 r180 top (schematic designator R8)
R8_U_single_ended_to_diff_quad12 "ERA-2AEB4990X" "Res 0402" 7600.58,5581.77 r180 top (schematic designator R8)
R8_U_single_ended_to_diff_quad13 "ERA-2AEB4990X" "Res 0402" 5157.78,3663.23 r0 top (schematic designator R8)
R8_U_single_ended_to_diff_quad14 "ERA-2AEB4990X" "Res 0402" 5812.78,3663.23 r0 top (schematic designator R8)
R8_U_single_ended_to_diff_quad15 "ERA-2AEB4990X" "Res 0402" 6467.78,3663.23 r0 top (schematic designator R8)
R8_U_single_ended_to_diff_quad16 "ERA-2AEB4990X" "Res 0402" 7122.78,3663.23 r0 top (schematic designator R8)
R9_U_single_ended_to_diff_quad1 "ERA-2AEB4990X" "Res 0402" 631.68,3310 r90 top (schematic designator R9)
R9_U_single_ended_to_diff_quad2 "ERA-2AEB4990X" "Res 0402" 1291.68,3310 r90 top (schematic designator R9)
R9_U_single_ended_to_diff_quad3 "ERA-2AEB4990X" "Res 0402" 1946.68,3310 r90 top (schematic designator R9)
R9_U_single_ended_to_diff_quad4 "ERA-2AEB4990X" "Res 0402" 2601.68,3310 r90 top (schematic designator R9)
R9_U_single_ended_to_diff_quad5 "ERA-2AEB4990X" "Res 0402" 1046.68,5990 r270 top (schematic designator R9)
R9_U_single_ended_to_diff_quad6 "ERA-2AEB4990X" "Res 0402" 1706.68,5990 r270 top (schematic designator R9)
R9_U_single_ended_to_diff_quad7 "ERA-2AEB4990X" "Res 0402" 2366.68,5990 r270 top (schematic designator R9)
R9_U_single_ended_to_diff_quad8 "ERA-2AEB4990X" "Res 0402" 3026.68,5990 r270 top (schematic designator R9)
R9_U_single_ended_to_diff_quad9 "ERA-2AEB4990X" "Res 0402" 5601.68,5920 r270 top (schematic designator R9)
R9_U_single_ended_to_diff_quad10 "ERA-2AEB4990X" "Res 0402" 6256.68,5920 r270 top (schematic designator R9)
R9_U_single_ended_to_diff_quad11 "ERA-2AEB4990X" "Res 0402" 6911.68,5918.9 r270 top (schematic designator R9)
R9_U_single_ended_to_diff_quad12 "ERA-2AEB4990X" "Res 0402" 7566.68,5920 r270 top (schematic designator R9)
R9_U_single_ended_to_diff_quad13 "ERA-2AEB4990X" "Res 0402" 5191.68,3325 r90 top (schematic designator R9)
R9_U_single_ended_to_diff_quad14 "ERA-2AEB4990X" "Res 0402" 5846.68,3325 r90 top (schematic designator R9)
R9_U_single_ended_to_diff_quad15 "ERA-2AEB4990X" "Res 0402" 6501.68,3325 r90 top (schematic designator R9)
R9_U_single_ended_to_diff_quad16 "ERA-2AEB4990X" "Res 0402" 7156.68,3325 r90 top (schematic designator R9)
R10_U_single_ended_to_diff_quad1 "RC0402FR-0749R9L" "Res 0402" 701.68,3842.8 r270 top (schematic designator R10)
R10_U_single_ended_to_diff_quad2 "RC0402FR-0749R9L" "Res 0402" 1361.68,3842.8 r270 top (schematic designator R10)
R10_U_single_ended_to_diff_quad3 "RC0402FR-0749R9L" "Res 0402" 2016.68,3842.8 r270 top (schematic designator R10)
R10_U_single_ended_to_diff_quad4 "RC0402FR-0749R9L" "Res 0402" 2671.68,3842.8 r270 top (schematic designator R10)
R10_U_single_ended_to_diff_quad5 "RC0402FR-0749R9L" "Res 0402" 976.68,5457.2 r90 top (schematic designator R10)
R10_U_single_ended_to_diff_quad6 "RC0402FR-0749R9L" "Res 0402" 1636.68,5457.2 r90 top (schematic designator R10)
R10_U_single_ended_to_diff_quad7 "RC0402FR-0749R9L" "Res 0402" 2296.68,5457.2 r90 top (schematic designator R10)
R10_U_single_ended_to_diff_quad8 "RC0402FR-0749R9L" "Res 0402" 2956.68,5457.2 r90 top (schematic designator R10)
R10_U_single_ended_to_diff_quad9 "RC0402FR-0749R9L" "Res 0402" 5531.68,5387.2 r90 top (schematic designator R10)
R10_U_single_ended_to_diff_quad10 "RC0402FR-0749R9L" "Res 0402" 6186.68,5387.2 r90 top (schematic designator R10)
R10_U_single_ended_to_diff_quad11 "RC0402FR-0749R9L" "Res 0402" 6841.68,5386.1 r90 top (schematic designator R10)
R10_U_single_ended_to_diff_quad12 "RC0402FR-0749R9L" "Res 0402" 7496.68,5387.2 r90 top (schematic designator R10)
R10_U_single_ended_to_diff_quad13 "RC0402FR-0749R9L" "Res 0402" 5261.68,3857.8 r270 top (schematic designator R10)
R10_U_single_ended_to_diff_quad14 "RC0402FR-0749R9L" "Res 0402" 5916.68,3857.8 r270 top (schematic designator R10)